# Altium PCB main.PcbDoc
Units mil, origin at the board's own origin, x right, y up, seen from the top; angles counter-clockwise.
Board outline 2358.18 x 2360.35 mil, 2 copper layers (Top Layer, Bottom Layer); 43 components, 37 nets, 167 pads, 29 vias.
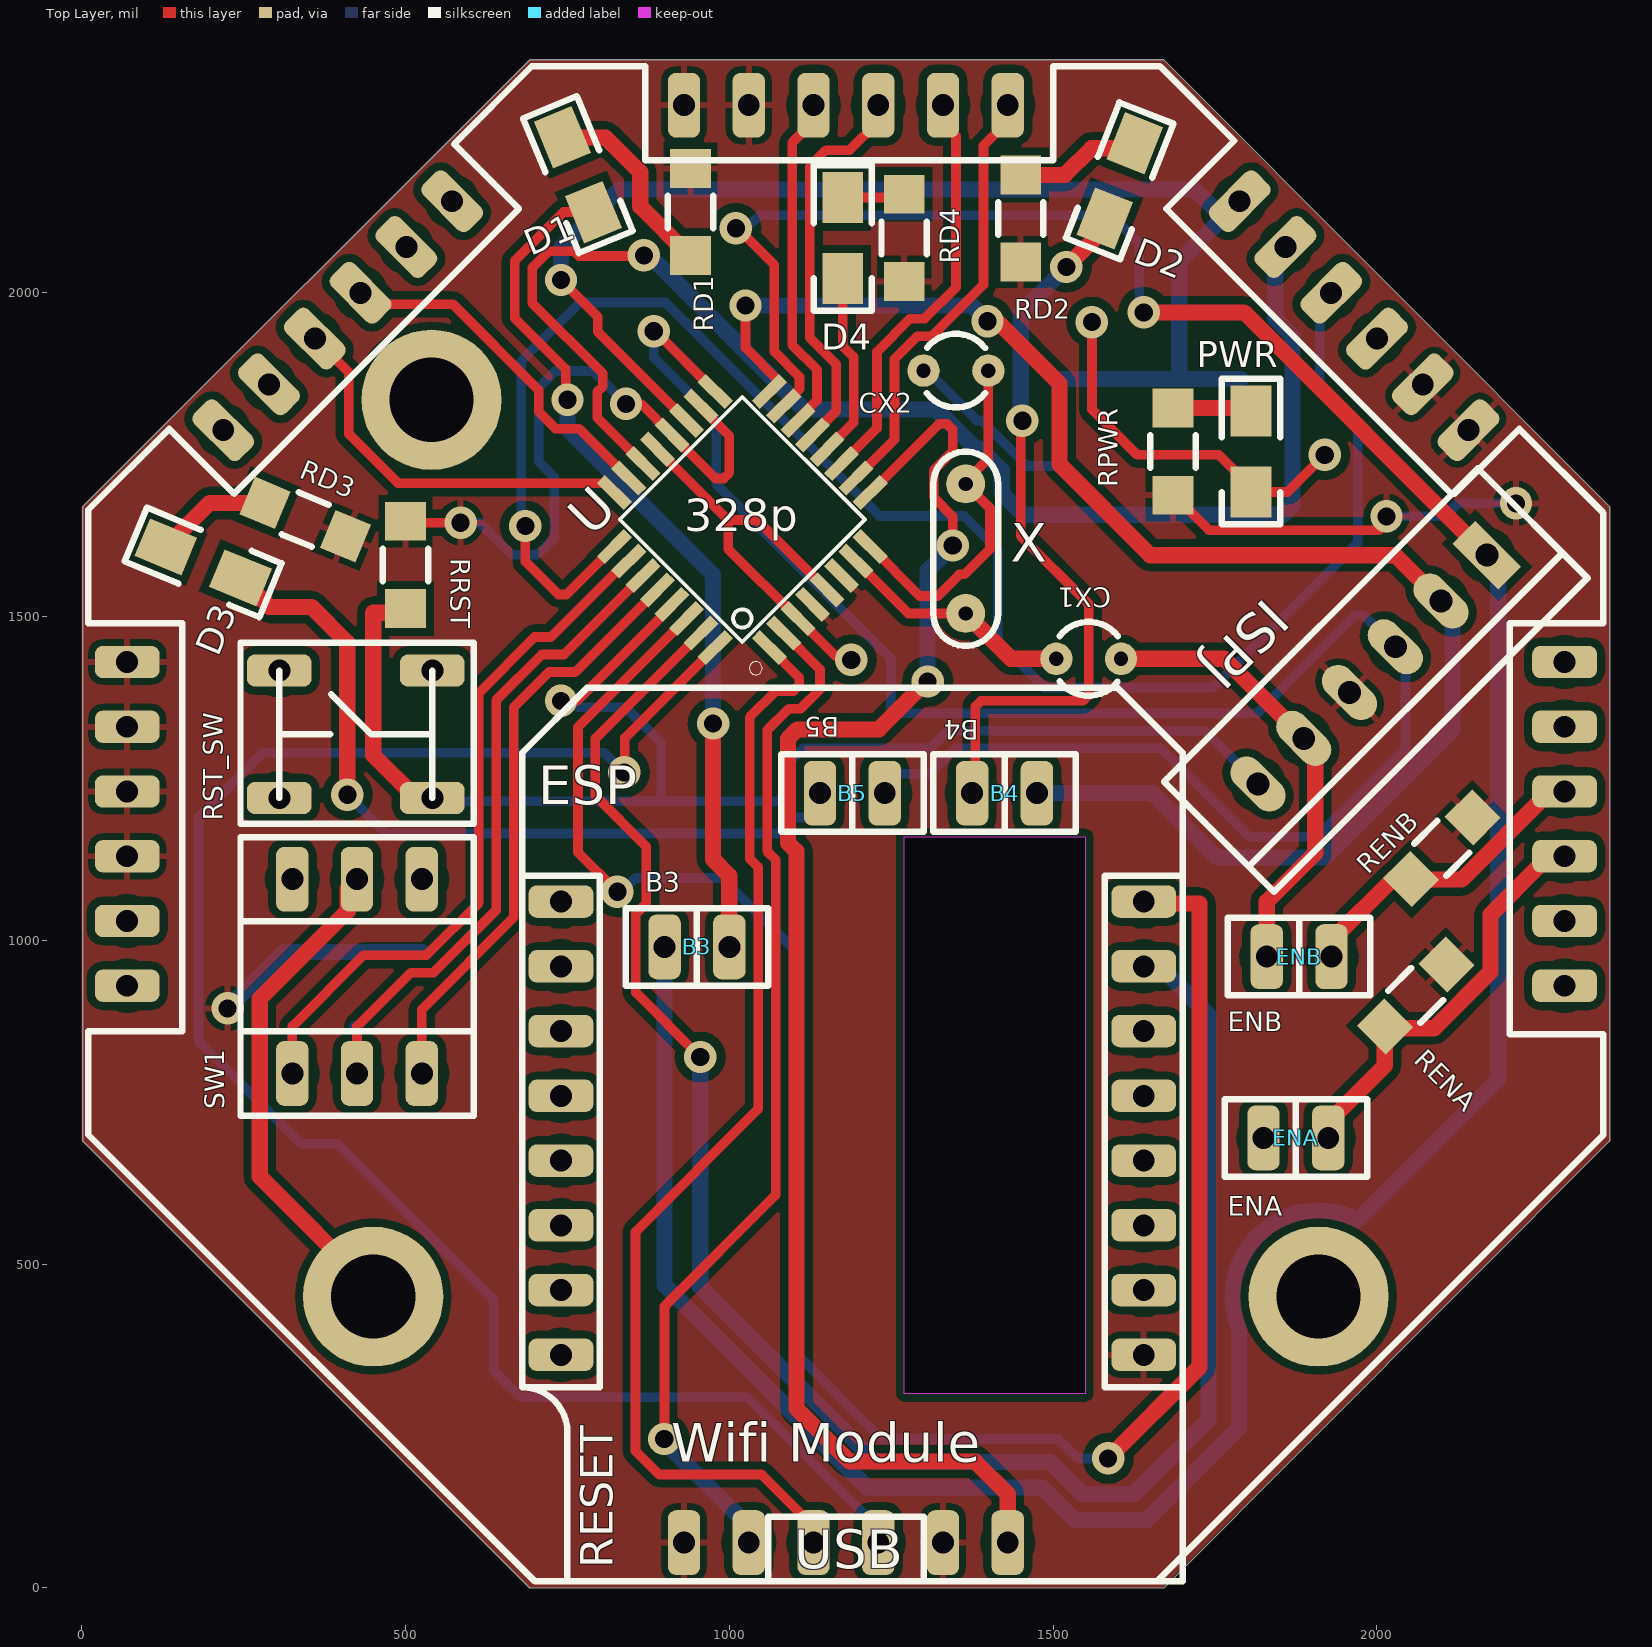
[diagram p0: Top Layer view]
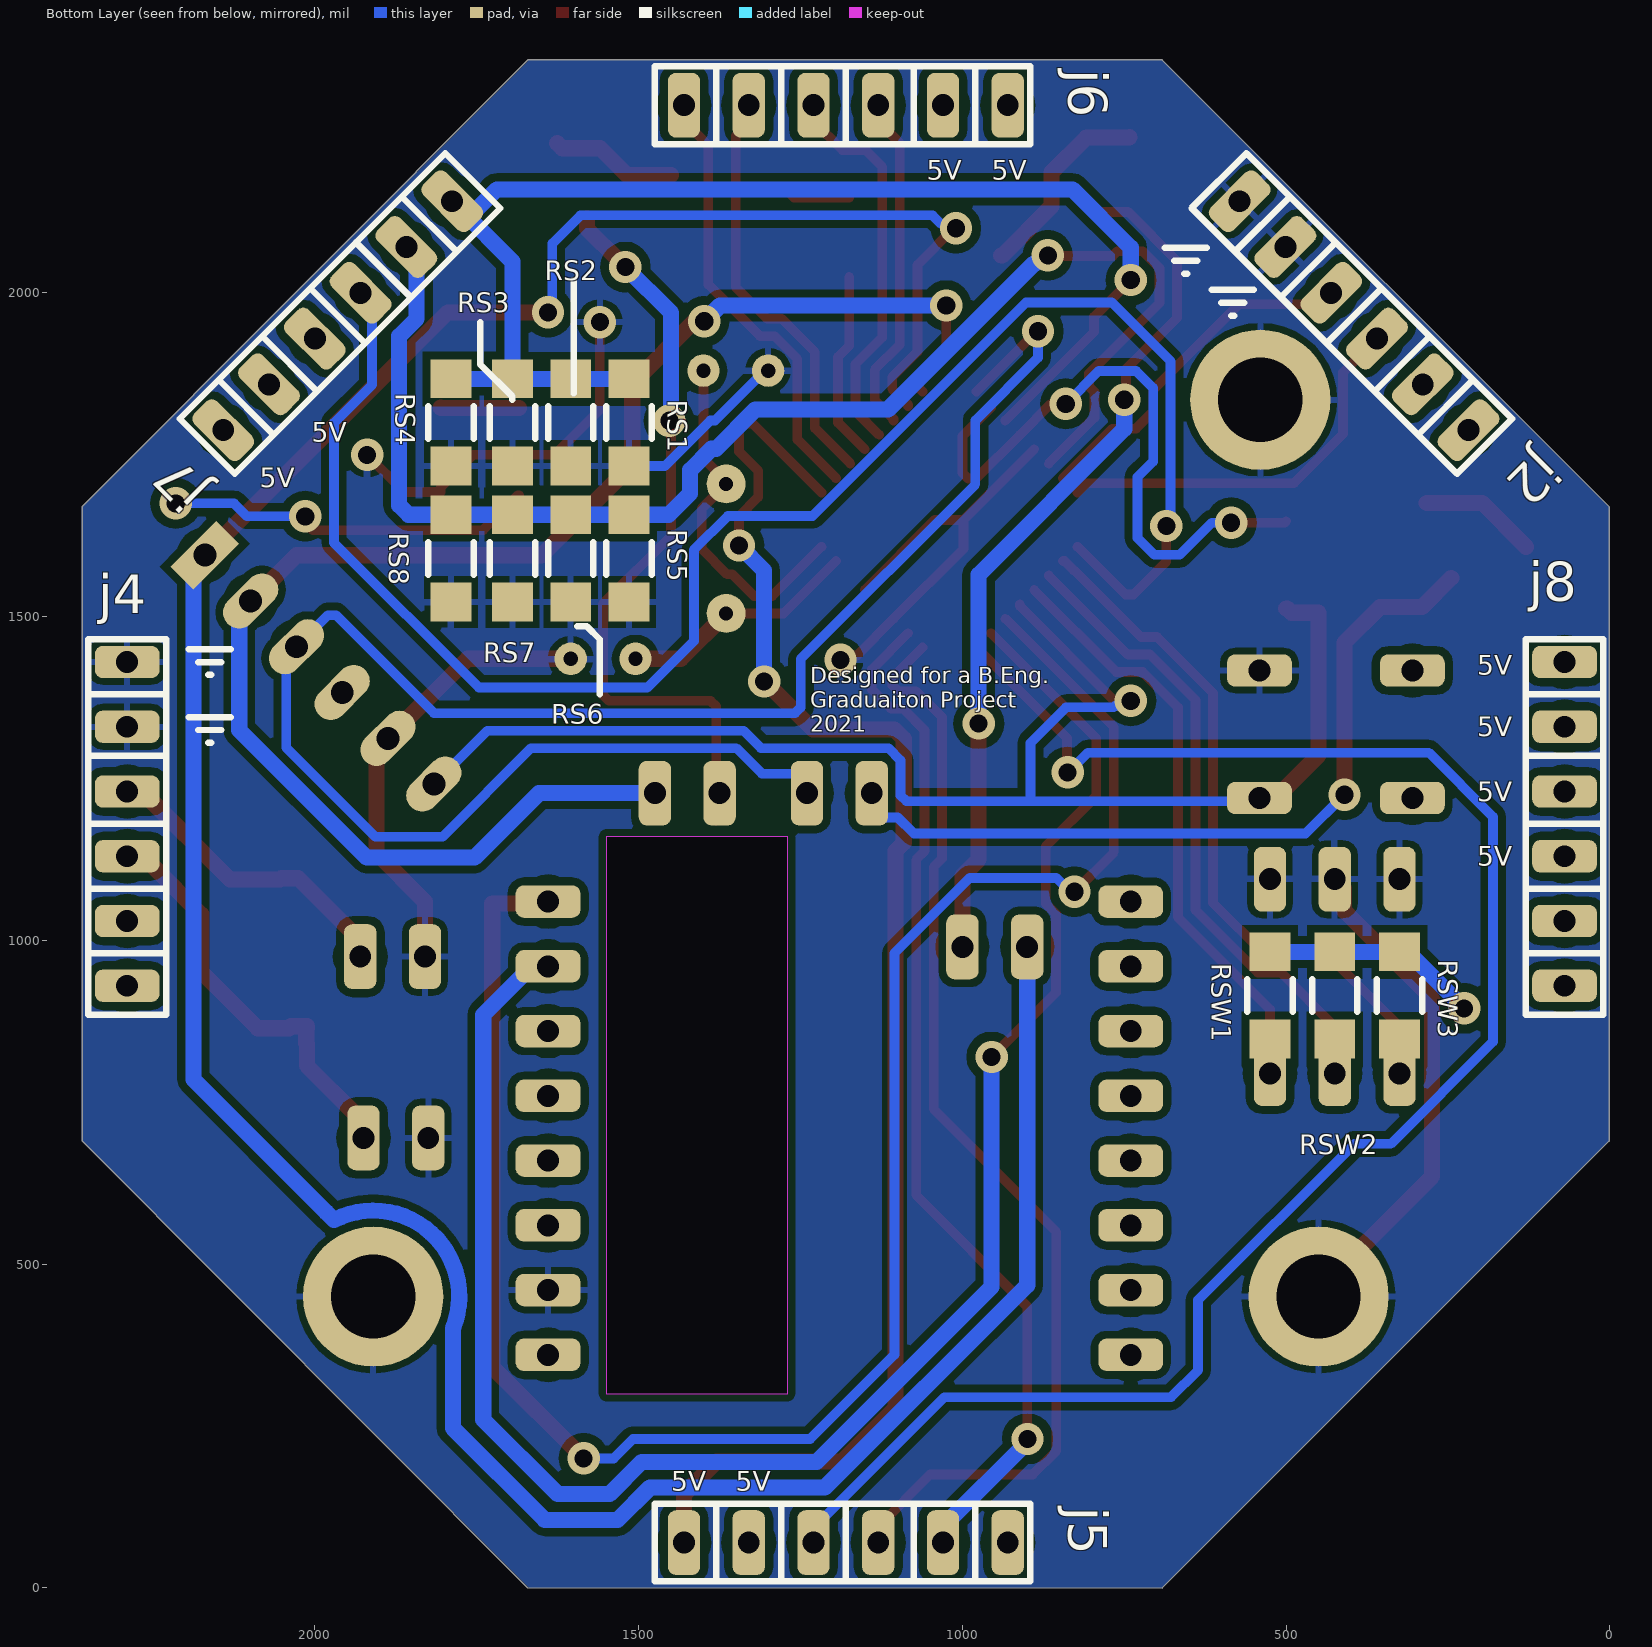
[diagram p1: Bottom Layer view, seen from below]

## Layer stack, top to bottom
Top Solder: solder mask 0.4, Solder Resist, Dk 3.5
Top Layer: signal copper 1.4
Dielectric 1: dielectric 12.6, FR-4, Dk 4.8
Bottom Layer: signal copper 1.4
Bottom Solder: solder mask 0.4, Solder Resist, Dk 3.5

## Board outline
691.6,-0.35 1.25,690 1.25,1670 691.6,2360 1671.25,2360 2359.43,1670 2359.43,690 1671.25,0
cut-out: 1270,1160 1550,1160 1550,300 1270,300

## Design rules (kind name [scope] priority, off if disabled: settings)
Clearance [All] p1: gap=12 ignorepadtopadclearanceinfootprint=FALSE except(25: Fill-Hole Poly-Hole Region-Hole)
PolygonConnect [All] p1: connectstyle=Relief reliefconductorwidth=10 reliefentries=4 polygonreliefangle="90 Angle" airgapwidth=10
RoutingCorners [All] p1: cornerstyle=Round minsetback=100 maxsetback=100
RoutingTopology [All] p1: topology=Daisy_Balanced
RoutingVias [All] p1: holewidth=28 width=50 viastyle="Through Hole" minholewidth=28 minwidth=50 maxholewidth=28 maxwidth=50
SolderMaskExpansion [All] p1: expansion=4 istentingtop=FALSE
Width [All] p1: maxlimit=30 minlimit=15 preferedwidth=25 minimp=50.000000 maximp=50.000000 favimp=50.000000
28 further rules are at their usual default settings.

## Classes and differential pairs
component class ESP8266_Sheet: ESP
component class Programmer_Sheet: ISPJ
component class Motors_Sheet: ENA ENB RENA RENB RS1 RS2 RS3 RS4 RS5 RS6 RS7 RS8
component class main: B3 B4 B5 CX1 CX2 D1 D2 D3 D4 PWR RD1 RD2 RD3 RD4 RPWR RRST RST_SW RSW1 RSW2 RSW3 SW1 U X
component class connection_Sheet: j2 j4 j5 j6 j7

## Components (designator, comment, footprint, x,y, rotation, side; value= is the part's Value field where it differs from the comment)
B3 "jumper" JUMPER2 900,990 r0 top
B4 "jumper" JUMPER2 1475,1227.5 r180 top
B5 "jumper" JUMPER2 1240,1227.5 r180 top
CX1 "cap disk" cap100 1605,1435 r180 top value=22pF
CX2 "cap disk" cap100 1300,1880 r0 top value=22pF
D1 "3.2x1.6" LED3_2X1_6 790,2125 r112.5 top
D2 "3.2x1.6" LED3_2X1_6 1580,2115 r68.5 top
D3 "3.2x1.6" LED3_2X1_6 245,1560 r157.5 top
D4 "3.2x1.6" LED3_2X1_6 1175,2022.5 r90 top
ENA "jumper" JUMPER2 1825,695 r0 top
ENB "jumper" JUMPER2 1830,975 r0 top
ESP "D1" WEMOS_D1_MINI 740,360 r0 top
ISPJ "JST_B6B" JST_B6B 1816.45,1241.45 r315 top
j2 "100th" pin6header 571.89,2141.67 r315 bottom
j4 "100th" pin6header 2290,930 r180 bottom
j5 "100th" pin6header 1430,70 r270 bottom
j6 "100th" pin6header 1430,2290 r270 bottom
j7 "100th" pin6header 1788.11,2141.65 r45 bottom
j8 "100th" pin6header 70,930 r180 bottom
PWR "3.2x1.6" LED3_2X1_6 1805.7,1692.5 r90 top
RD1 "1206" 1206 940,2125 r90 top value=220
RD2 "1206" 1206 1450,2115 r270 top
RD3 "1206" 1206 345,1650 r337.5 top
RD4 "1206" 1206 1270,2085 r270 top
RENA "1206" 1206 2060,915 r45 top value=10K
RENB "1206" 1206 2100.53,1142.6 r45 top value=10K
RPWR "1206" 1206 1685,1755 r270 top value=220
RRST "1206" 1206 500,1580 r90 top value=10k
RS1 "1206" 1206 1515,1800 r90 bottom value=1
RS2 "1206" 1206 1605,1800 r90 bottom value=1
RS3 "1206" 1206 1695,1800 r90 bottom value=1
RS4 "1206" 1206 1790,1800 r90 bottom value=1
RS5 "1206" 1206 1515,1590 r90 bottom value=1
RS6 "1206" 1206 1605,1590 r90 bottom value=1
RS7 "1206" 1206 1695,1590 r90 bottom value=1
RS8 "1206" 1206 1790,1590 r90 bottom value=1
RST_SW "button" push_button 305,1220 r0 top
RSW1 "1206" 1206 525,915 r90 bottom value=10k
RSW2 "1206" 1206 425,915 r90 bottom value=10k
RSW3 "1206" 1206 325,915 r90 bottom value=10k
SW1 "dipsw3" PCBComponent_1 525,794.56 r90 top
U "ATMEGA328P-AU" QFP80P900X900X120-32N 1020,1650 r135 top
X "XTAL" XTAL1 1365,1505 r90 top

## Footprints (in the part's own frame and the unit in brackets; to place one, negate y for a bottom-side part, rotate by r counter-clockwise, add the part's x,y. Pads: shape width x height; smd on the part's side, far side on the other; paste and mask are expansions set on the pad)
1206 [mm]
  rect 1.52x1.6 smd: 1(-1.71,0) 2(1.71,0)
  silkscreen extent -0.64,-0.89 0.64,0.89, body extent -1.6,-0.8 1.6,0.8, height 0.7
cap100 [mil]
  round 50 hole 22: 1(0,0) 2(100,0)
  silkscreen extent 5,-57 95,57
JST_B6B [mm]
  rrect100% 2.54x1.27 hole 0.9: 1(0,0) 2(0,2.54) 3(0,5.08) 4(0,7.62) 5(0,10.16)
  rect 2.54x1.27 hole 0.9: 6(0,12.7)
  silkscreen extent -2.67,-2.54 3.43,14.86, body extent -2.54,-2.41 3.3,14.76, height 7.21
JUMPER2 [mm]
  rrect50% 1.27x2.54 hole 0.86: 1(0,0) 2(2.54,0)
  silkscreen extent -1.52,-1.52 4.06,1.52, body extent -1.27,-1.27 3.81,1.27, height 8.72
LED3_2X1_6 [mm]
  rect 2x1.6 smd: a(3.175,0) c(0,0)
  silkscreen extent -1.27,-1.14 4.44,1.14, body extent -0.08,-0.8 3.12,0.8, height 1.1
PCBComponent_1 [mm]
  rrect50% 2.54x1.27 hole 0.86: 1(0,5.08) 2(0,2.54) 3(0,0) 4(7.62,5.08) 5(7.62,2.54) 6(7.62,0)
  silkscreen extent -1.65,-2.03 9.27,7.11, body extent -1.14,-2.05 8.76,7.13, height 7.12
pin6header [mm]
  rrect50% 2.54x1.27 hole 0.86: 1(0,0) 2(0,2.54) 3(0,5.08) 4(0,7.62) 5(0,10.16) 6(0,12.7)
  silkscreen extent -1.52,-1.14 1.52,13.59, body extent -1.2,-1.4 1.2,13.84, height 8.35
push_button [mm]
  rrect50% 2.54x1.27 hole 0.86: a1(0,5) a2(0,0) b1(6,5) b2(6,0)
  silkscreen extent -1.52,-1.02 7.62,6.1, body extent -0.85,-0.46 6.85,5.54, height 5
QFP80P900X900X120-32N [mm]
  rect 1.5x0.457 smd: 1(-4.3,2.8) 2(-4.3,2) 3(-4.3,1.2) 4(-4.3,0.4) 5(-4.3,-0.4) 6(-4.3,-1.2) 7(-4.3,-2) 8(-4.3,-2.8) 17(4.3,-2.8) 18(4.3,-2) 19(4.3,-1.2) 20(4.3,-0.4) 21(4.3,0.4) 22(4.3,1.2) 23(4.3,2) 24(4.3,2.8)
  rect 0.457x1.5 smd: 9(-2.8,-4.3) 10(-2,-4.3) 11(-1.2,-4.3) 12(-0.4,-4.3) 13(0.4,-4.3) 14(1.2,-4.3) 15(2,-4.3) 16(2.8,-4.3) 25(2.8,4.3) 26(2,4.3) 27(1.2,4.3) 28(0.4,4.3) 29(-0.4,4.3) 30(-1.2,4.3) 31(-2,4.3) 32(-2.8,4.3)
  silkscreen extent -4.75,-3.4 3.4,4, body extent -4.5,-4.5 4.5,4.5, height 1.21
WEMOS_D1_MINI [mm]
  rrect50% 2.54x1.27 hole 0.86: 3V3(0,0) 5V(22.86,0) A0(0,15.24) D0(0,12.7) D1(22.86,12.7) D2(22.86,10.16) D3(22.86,7.62) D4(22.86,5.08) D5(0,10.16) D6(0,7.62) D7(0,5.08) D8(0,2.54) GND(22.86,2.54) RST(0,17.78) RX(22.86,15.24) TX(22.86,17.78)
  silkscreen extent -1.52,-8.89 24.38,26.16, body extent -1.52,-9.1 24.28,25.35, height 15.9
XTAL1 [mil]
  round 60 hole 22: 1(0,0) 2(200,0)
  silkscreen extent -50,-50 250,50, body extent -50,-50 250,50, height 100

## Part data
B3 B4 B5 ENA ENB: library part Jumper_2
CX1 CX2: library part C?
D1 D2 D3 D4 PWR: library part led
ESP: library part WEMOS_D1_MINI
j2 j4 j5 j6 j7 j8: library part pin6header, System=Connector
U: "AVR AVRÂ® ATmega Microcontroller IC 8-Bit 20MHz 32KB _16K x 16_ FLASH 32-TQFP _7x7_", Package="TQFP-32 Microchip", Availability=Unavailable, MF=Microchip, MP=ATMEGA328P-AU, Price=None, SnapEDA_Link=https://www.snapeda.com/parts/ATMEGA328P-AU/Microchip/view-part/44280/?ref=snap

## Free pads (board coordinates)
  round 216.54 hole 129.92: c(450,450) c(540,1835) c(1910,450)

## Via types
v1: diameter 50, hole 28, Top Layer to Bottom Layer, 29 vias

## Nets (pads, with @x,y where several pads share a name; then routed paths per layer and width w, separated by ;. In a path a pad name is that pad's centre, name@x,y a point inside that pad or via, vN(x,y) a via of type N, cw(c..) or ccw(c..) an arc to the next point about the centre after c; other vN are vias at no path point)
+5: ESP.5V ISPJ.3 j5.2 j5.6 j6.5 j6.6 j7.5 j7.6 j8.3 j8.4 j8.5 j8.6 RD1.2 RD2.2 RD3.2 RD4.2 RENA.2 RENB.2 RPWR.2 RRST.2 RSW1.2 RSW2.2 RSW3.2 U.4 U.6 U.18 U.20 | length 1914.1
  Top Layer w15: RRST.2 502.32,1645 v1(585,1645) ; v1(840.37,1828.76) 840.83,1828.3 863.97,1828.3 U.20 978.79,1713.48 991.21,1713.48 1000,1722.27 1000,1779.23 955.97,1823.26 U.18 ; RPWR.2 1686.57,1687.68 1740.62,1633.63 2003.63,1633.63 2015,1645 v1(2015,1655)
  Bottom Layer w15: v1(585,1645) 615,1645 664.5,1595.5 703.43,1595.5 729.5,1621.57 729.5,1715.6 705.5,1739.6 705.5,1853.43 731.57,1879.5 789.63,1879.5 v1(840.37,1828.76) ; v1(2015,1655) 2105,1655 2125,1675 v1(2215,1675)
  Bottom Layer w25: v1(225.12,895) 225.12,895.12 312.32,982.32 RSW3.2 RSW2.2 RSW1.2
GND: CX1.1 CX2.1 ENA.1 ENB.1 ESP.GND ISPJ.2 j2.1 j2.2 j4.5 j4.6 pad.c PWR.c RS1.1 RS2.1 RS3.1 RS4.1 RS5.1 RS6.1 RS7.1 RS8.1 RST_SW.b1 SW1.4 SW1.5 SW1.6 U.3 U.5 U.21 | length 2991.5
  Top Layer w15: j2.2@501.14,2053.86 j2.2@501.14,2063.92 ; U.21 998.26,1649.47 ; U.5 1042.8,1649.47 998.26,1649.47 ; v1(1188.29,1433.29) 1181.59,1439.99 1163.2,1439.99 U.3 998.26,1604.93 998.26,1649.47 ; v1(1560,1955) 1560,1820 1630,1750 1756.07,1750 1781.7,1724.37 1805.7,1700.37 PWR.c 1862,1692.5 v1(1919.5,1750)
  Top Layer w25: SW1.5 410.59,1080.15 410.59,1045.59 274.62,909.62 274.62,635.38 450,460 pad.c@450,450 ; CX1.1@1620.66,1435 1764.31,1435 ISPJ.2 1904.84,1294.48 1904.84,1134.84 1830,1060 ENB.1
  Bottom Layer w15: CX2.1 1305.26,1880 1382.27,1802.99 1389.34,1802.99 1459.65,1732.68 RS1.1
MISO: B4.1 ISPJ.5 U.16 | length 2469.3
  Top Layer w15: v1(1025,1980.62) 1025,1915.57 1076.27,1864.29 1076.27,1862.17 U.16
  Top Layer w25: v1(1398.72,1956.28) 1400,1957.57 1412.43,1957.57 1510,1860 1510,1735 1650,1595 2028.58,1595 ISPJ.5
  Bottom Layer w25: v1(1025,1980.62) 1374.38,1980.62 v1(1398.72,1956.28) ; B4.1 1654.04,1227.5 1753.54,1128 1920.07,1128 2116.97,1324.9 2116.97,1506.61 ISPJ.5
MOSI: B3.1 ISPJ.6 U.15 | length 4989.7
  Top Layer w15: v1(1010,2100) 1012.93,2100 1069.5,2043.43 1069.5,1909.25 1108.5,1870.25 1108.5,1851.98 1084.03,1827.51 U.15
  Top Layer w25: v1(1640,1970) 1795,1970 ISPJ.6
  Bottom Layer w15: v1(1010,2100) 1016.7,2106.7 1032.98,2106.7 1046.29,2120 1590,2120 1633.3,2076.7 1633.3,1976.7 v1(1640,1970)
  Bottom Layer w25: B3.1 900,467.55 1212.55,155 1482.61,155 1532.61,105 1645,105 1787,247 1787,400.02 cw(c1910,450) 1970.44,568.21 1982.49,580.26 2187.68,785.45 2187.68,1577.32 ISPJ.6
NetB3_2: B3.2 D1.c | length 1349.7
  Top Layer w15: v1(750,1835) 747.26,1837.74 747.26,1882.5 668.5,1961.26 668.5,2049.62 743.88,2125 D1.c
  Top Layer w25: v1(975,1335) 975,1125 1000,1100 B3.2
  Bottom Layer w25: v1(750,1835) 750,1790 975,1565 v1(975,1335)
NetB4_2: B4.2 D2.c | length 1194.2
  Top Layer w15: B4.2@1380,1185 1380,1361.21 1388.79,1370 1546.21,1370 1555,1378.79 1555,1520 1450,1625 1450,1800 v1(1452.63,1802.63)
  Top Layer w25: v1(1520.5,2040) v1@1529.97,2049.47 ; v1@1530,2049.47 1580,2099.47 D2.c
  Bottom Layer w25: v1(1452.63,1802.63) 1450,1805.26 1450,1969.5 v1(1520.5,2040)
NetB5_2: B5.2 D3.c | length 1221.6
  Top Layer w25: D3.c 290,1515 355,1515 410,1460 v1(410,1225)
  Bottom Layer w15: v1(410,1225) 470,1165 1074.9,1165 1099.9,1190 1122.88,1190 1140,1207.12 B5.2@1140,1215
NetD1_A: D1.a RD1.1 | length 304.4
  Top Layer w25: D1.a 742.65,2240 808.83,2240 862.42,2186.41 862.42,2133.69 938.43,2057.68 RD1.1
NetD2_A: D2.a RD2.1 | length 196.1
  Top Layer w25: RD2.1 1518.29,2182.32 1559.58,2223.61 1618.12,2223.61 D2.a
NetD3_A: D3.a RD3.1 | length 181.4
  Top Layer w25: D3.a 197.44,1675.76 RD3.1
NetD4_A: D4.a RD4.1 | length 99.1
  Top Layer w15: D4.a 1260.18,2147.5 RD4.1@1270,2157.32
NetENA_2: ENA.2 j4.3 RENA.1 | length 648
  Top Layer w25: ENA.2 1925,720 1937.5,732.5 1938.19,732.5 2012.4,806.7 2012.4,840.53 2013.51,841.64 2013.51,863.36 RENA.1@2012.4,864.47 ; RENA.1 2037.03,867.4 2039.95,864.47 2088.66,864.47 2175.53,951.34 2175.53,1039.84 2252.5,1116.81 2252.5,1117.5 2265,1130 j4.3
NetENB_2: ENB.2 j4.4 RENB.1 | length 482.1
  Top Layer w25: ENB.2 1930,1000 2026.11,1096.11 2051.82,1096.11 RENB.1 2054.04,1093.89 2131.01,1093.89 2267.12,1230 j4.4
NetESP_RX: ESP.RX U.31 | length 2878.7
  Top Layer w15: v1(955,820) 855.5,919.5 855.5,1040.75 871.5,1056.75 871.5,1145.07 793.12,1223.45 793.12,1311.76 U.31
  Bottom Layer w25: v1(955,820) 955,464.87 1225.27,194.61 1495.33,194.61 1544.93,145 1625,145 1740,260 1740,885 1665,960 ESP.RX
NetESP_TX: ESP.TX U.30 | length 3020.7
  Top Layer w15: v1(827,1075.19) 766.12,1136.07 766.12,1329.3 U.30
  Top Layer w25: v1(1585,200) 1726.21,341.21 1726.21,1057 1643,1057 ESP.TX
  Bottom Layer w15: v1(827,1075.19) 833.69,1075.19 855,1096.5 988.75,1096.5 1105,980.25 1105,360.13 1235.13,230 1508.75,230 1538.75,200 v1(1585,200)
Netj2_3: j2.3 U.23 | length 552.4
  Top Layer w15: j2.3 448.15,1982.57 573.12,1982.57 705.5,1850.19 705.5,1816.57 731.57,1790.5 768.14,1790.5 U.23
Netj2_4: j2.4 U.24 | length 616.7
  Top Layer w15: j2.4 412.23,1877.06 412.23,1782.08 488.04,1706.27 807.83,1706.27 U.24
Netj5_1: j5.1 U.9 | length 2352.7
  Top Layer w15: U.9 1323.79,1797.89 1336.21,1797.89 1345,1789.1 1345,1755 1315.5,1725.5 1315.5,1684.5 1345,1655 v1(1345,1610)
  Top Layer w25: v1(1306.25,1400) 1305,1400 1231,1326 1105.14,1326 1090.5,1311.36 1090.5,1151 1103.5,1138 1103.5,277.46 1185.96,195 1380,195 1430,145 j5.1
  Bottom Layer w25: v1(1306.25,1400) 1306.25,1571.25 v1(1345,1610)
Netj5_3: j5.3 U.32 | length 2755.4
  Top Layer w15: v1(837.62,1259.5) 838.5,1260.38 838.5,1312.6 U.32
  Bottom Layer w15: v1(837.62,1259.5) 836.83,1259.5 806.33,1290 279.75,1290 180.62,1190.88 180.62,843.68 338.44,685.86 394.83,685.86 636.14,444.56 636.14,336.14 677.77,294.5 1027.79,294.5 1209.79,112.5 1230,92.29 j5.3
Netj5_4: j5.4 U.1 | length 1739.7
  Top Layer w15: U.1 1107.89,1406.21 1107.89,1393.79 1099.1,1385 1071.71,1385 1031.5,1344.79 1031.5,1126.56 1044.5,1113.56 1044.5,739.5 855,550 855,211.57 891.57,175 1050,175 1130,95 j5.4
Netj5_5: j5.5 U.2 | length 1602.9
  Top Layer w15: v1(899.5,230) 900,230.5 900,435 1071.5,606.5 1071.5,1124.74 1058.5,1137.74 1058.5,1324.61 1091.89,1358 1110.29,1358 1139.91,1387.62 1139.91,1418.73 U.2
  Bottom Layer w25: v1(899.5,230) 900,229.5 900,225 1030,95 j5.5
Netj6_1: j6.1 U.10 | length 686.3
  Top Layer w15: U.10 1255,1773.64 1255,1897.93 1290.28,1933.21 1312.71,1933.21 1392.38,2012.88 1392.38,2227.38 1430,2265 j6.1
Netj6_2: j6.2 U.11 | length 648.4
  Top Layer w15: U.11 1228,1791.19 1228,1909.12 1279.1,1960.21 1301.53,1960.21 1350,2008.68 1350,2242.29 1330,2262.29 j6.2
Netj6_3: j6.3 U.13 | length 606.2
  Top Layer w15: U.13 1165.04,1817.31 1165.04,1890.08 1124,1931.11 1124,2194.95 1149.56,2220.5 1185.5,2220.5 1230,2265 j6.3
Netj6_4: j6.4 U.14 | length 528.6
  Top Layer w15: U.14 1106.3,1805.24 1135.5,1834.44 1135.5,1881.43 1097,1919.93 1097,2232 1130,2265 j6.4
Netj7_1: j7.1 RS1.2 RS2.2 RS3.2 RS4.2 U.19 | length 2001.5
  Top Layer w15: v1(740,2020) 796.87,1963.13 796.87,1939.94 U.19
  Bottom Layer w25: v1(740,2020) 740,2070 830,2160 1719.01,2160 1750.62,2128.39 1774.84,2128.39 1695,2048.55 RS3.2 ; RS1.2 RS2.2 RS3.2 ; RS4.2 RS3.2
Netj7_2: j7.2 RS5.2 RS6.2 RS7.2 RS8.2 U.22 | length 2188.9
  Top Layer w15: U.22 795.87,1807.31 795.87,1847.2 804.5,1855.82 804.5,1875.5 695.5,1984.5 695.5,2038.43 721.57,2064.5 760.46,2064.5 767.89,2057.07 867.07,2057.07 v1(868.05,2058.05)
  Bottom Layer w25: v1(868.05,2058.05) 874.81,2058.05 887.31,2045.55 889.45,2045.55 1115,1820 1320,1820 1380.5,1759.5 1387.57,1759.5 1420.68,1726.39 1420.68,1690.43 1453.79,1657.32 RS5.2 RS6.2 RS7.2 RS8.2 1855.36,1657.32 1870,1671.97 1870,1933.35 1843.06,1960.3 1843.06,2055.19 j7.2@1865.93,2078.07
Netj7_3: j7.3 U.25 | length 2670.3
  Top Layer w15: v1(685,1640) 685,1585 735.84,1534.16 748.26,1534.16 U.25
  Bottom Layer w15: v1(685,1640) 678.5,1646.5 678.5,1894.62 769.28,1985.4 901.7,1985.4 1231.6,1655.5 1362.43,1655.5 1414.5,1603.43 1414.5,1462.57 1486.57,1390.5 1746.82,1390.5 1970.5,1614.18 1970.5,1799.5 1911.9,1858.1 1911.9,1982.61 j7.3@1929.57,2000.28
NetPWR_A: PWR.a RPWR.1 | length 120.9
  Top Layer w25: RPWR.1 1805.3,1822.32 PWR.a@1805.7,1822.72
PB0: D4.c U.12 | length 290.5
  Top Layer w15: U.12 1192.04,1799.76 1192.04,1901.27 1175,1918.3 D4.c D4.c@1175,2025
PB5: B5.1 ISPJ.4 U.17 | length 2848.9
  Top Layer w15: v1(883.27,1940.9) 885,1940.9 U.17
  Bottom Layer w15: v1(883.27,1940.9) 883.27,1899.97 980,1803.24 980,1704.51 1249.75,1434.75 1249.75,1359.79 1258.54,1351 1816,1351 1967.37,1502.37 1979.79,1502.37 2044.34,1437.82 2044.34,1409.24 2044.26,1409.15 2044.26,1297.44 1906.82,1160 1803.18,1160 1666.18,1297 1349.25,1297 1309.75,1257.5 1257.12,1257.5 1240,1240.38 B5.1
PC3: RSW3.1 SW1.1 U.26 | length 1153
  Top Layer w15: SW1.1 325,867.06 435.12,977.18 532.18,977.18 613,1058 613,1382.3 699.2,1468.5 724.2,1468.5 827.15,1571.45 827.98,1571.45 842.49,1585.97 U.26
  Bottom Layer w15: SW1.1 RSW3.1 RSW3.1@325,867.68
PC4: RSW2.1 SW1.2 U.27 | length 1068.1
  Top Layer w15: SW1.2 425,867.06 508.12,950.18 543.37,950.18 640,1046.82 640,1371.12 710.38,1441.5 744.69,1441.5 U.27
  Bottom Layer w15: RSW2.1@420,867.68 425,862.68 RSW2.1 SW1.2
PC5: RSW1.1 SW1.3 U.28 | length 994.6
  Top Layer w15: SW1.3 525,893.63 667,1035.63 667,1359.93 721.57,1414.5 762.23,1414.5 U.28
  Bottom Layer w15: SW1.3 RSW1.1 RSW1.1@525,867.68
RESET: ISPJ.1 RRST.1 RST_SW.b2 U.29 | length 2286.6
  Top Layer w15: v1(740,1370) 765,1370 911.43,1516.43 U.29
  Top Layer w25: RRST.1 498.43,1512.68 491.96,1506.21 450,1506.21 450,1286.22 516.22,1220 RST_SW.b2
  Bottom Layer w15: RST_SW.b2 546.22,1215 895,1215 ; v1(740,1370) 746.7,1363.3 762.98,1363.3 766.29,1360 840,1360 895,1305 895,1215 ; ISPJ.1 1733.89,1324 1338.06,1324 1311.06,1297 1114.25,1297 1095.5,1278.25 1095.5,1223.79 1086.71,1215 895,1215
XTAL1: CX1.2 U.7 X.1 | length 372.1
  Top Layer w15: U.7 1276.36,1505 X.1
  Top Layer w25: X.1 1435,1435 CX1.2
XTAL2: CX2.2 U.8 X.2 | length 551.9
  Top Layer w15: U.8 1293.9,1532 1322,1532 1355.5,1565.5 1363.43,1565.5 1402.5,1604.57 1402.5,1667.5 X.2 1365,1709.25 1400,1744.25 CX2.2
pads on no net: ESP.3V3 ESP.A0 ESP.D0 ESP.D1 ESP.D2 ESP.D3 ESP.D4 ESP.D5 ESP.D6 ESP.D7 ESP.D8 ESP.RST j2.5 j2.6 j4.1 j4.2 j7.4 j8.1 j8.2 RST_SW.a1 RST_SW.a2

## Polygon pours and split planes (outlines as drawn)
+5 on Top Layer "top_5V" (solid, pour order 0): 0,691.23 691.23,0 1668.77,0 2360,691.23 2360,1668.77 1668.77,2360 691.23,2360 0,1668.77
GND on Bottom Layer "btm_gnd" (solid, pour order 1): 0,691.23 691.23,0 1668.77,0 2360,691.23 2360,1668.77 1668.77,2360 691.23,2360 0,1668.77

## Silkscreen, mask and mechanical layers (free items; w line width, h text height)
Top Overlay:
  lines w10: 10,700 10,860 155,860 155,1490 10,1490 10,1665 135,1790 235,1690 675,2130 575,2230 695,2350 870,2350 870,2205 1500,2205 1500,2350 1665,2350 1780,2235 1675,2130 2115,1690 2120,1690 2220,1790 2350,1660 2350,1490 2205,1490 2205,855 2350,855 2350,700 1660,10 700,10 10,700
Bottom Overlay:
  lines w10: 550,2005 615,2005 ; 565,1985 600,1985 ; 580,1965 585,1965 ; 622.5,2070 687.5,2070 ; 637.5,2050 672.5,2050 ; 652.5,2030 657.5,2030 ; 1560,1380 1560,1465 1580,1485 1595,1485 ; 1600,1845 1600,2020 ; 1695,1835 1695,1840 1745,1890 1745,1955 ; 2130,1345 2195,1345 ; 2130,1450 2195,1450 ; 2145,1325 2180,1325 ; 2145,1430 2180,1430 ; 2160,1305 2165,1305 ; 2160,1410 2165,1410
  text "5V" at 954.99,2175 h30
  text "5V" at 1054.99,2175 h30
  text "5V" at 2004.99,1770 h30
  text "5V" at 2084.99,1700 h30
  text "5V" at 204.99,1410 h30
  text "Designed for a B.Eng. / Graduaiton Project / 2021" at 1235,1322.11 h25
  text "5V" at 204.99,1315 h30
  text "5V" at 204.99,1215 h30
  text "5V" at 204.99,1115 h30
  text "5V" at 1349.99,150 h30
  text "5V" at 1449.99,150 h30

## Text inside footprints (layer, text, board x,y; h text height)
ESP: Top Overlay "RESET" at 820,30 h50 r90; Top Overlay "Wifi Module" at 910,195 h60; Top Overlay "USB" at 1100,30 h60
U: Top Overlay "328p" at 930,1631.66 h50